# Altium PCB Twomes_Monitor_master.PcbDoc
Units mm, origin at the board's own origin, x right, y up, seen from the top; angles counter-clockwise.
Board outline 58.55 x 38.1 mm, 2 copper layers (Top Layer, Bottom Layer); 43 components, 29 nets, 141 pads, 8 vias.
Unrouted connection lines stored in the file: 46.
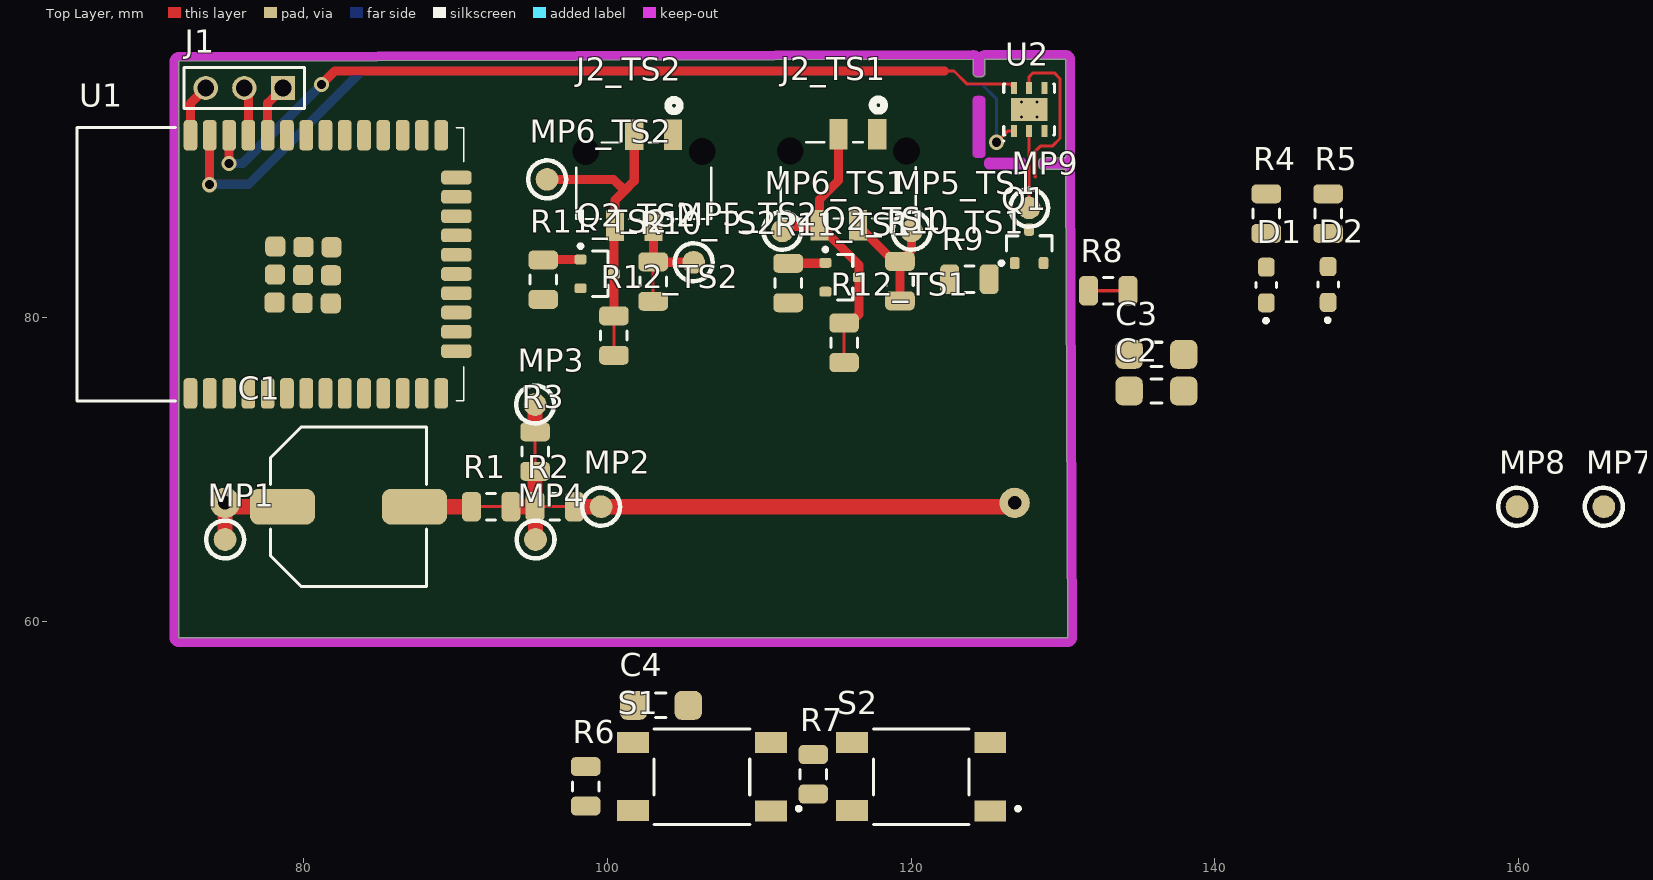
[diagram p0: Top Layer view]
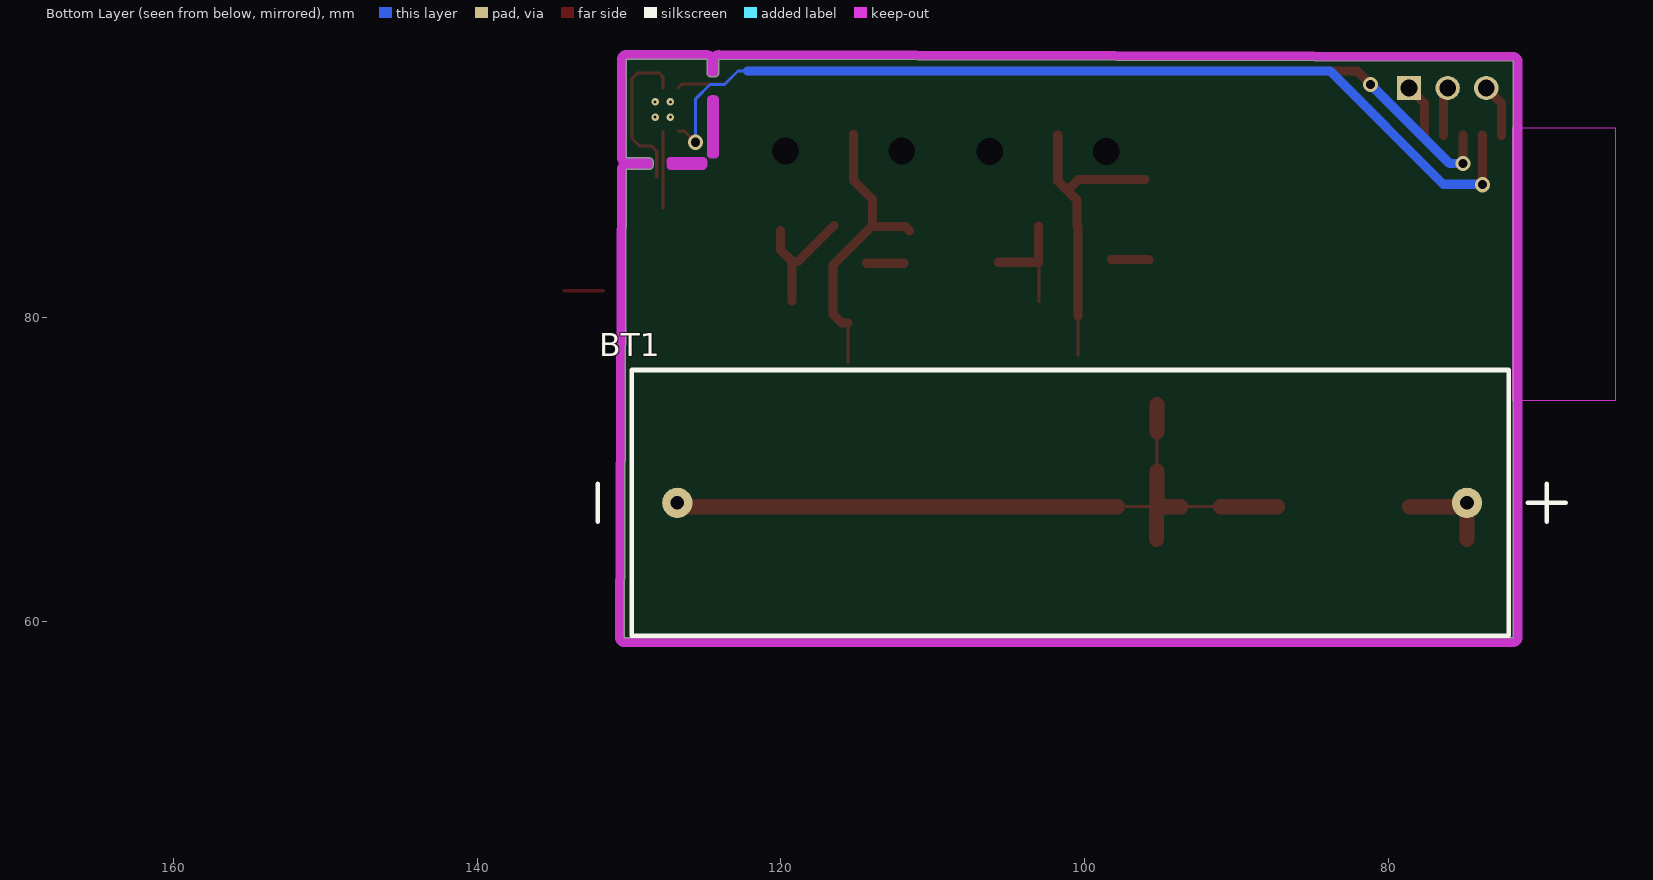
[diagram p1: Bottom Layer view, seen from below]

## Layer stack, top to bottom
Top Solder: solder mask 0.0102, Solder Resist, Dk 3.5
Top Layer: signal copper 0.0356
Dielectric 1: dielectric 0.32, FR-4, Dk 4.8
Bottom Layer: signal copper 0.0356
Bottom Solder: solder mask 0.0102, Solder Resist, Dk 3.5

## Board outline
71.755,96.901 124.079,97.027 124.079,96.122 ccw(c124.316,96.122) 124.316,95.885 124.447,95.885 124.473,95.885 124.604,95.885 ccw(c124.604,96.122) 124.841,96.122 124.841,97.028 130.177,97.028 130.177,90.532 128.657,90.532 ccw(c128.657,90.272) 128.397,90.272 128.397,90.054 ccw(c128.662,90.054) 128.662,89.789 130.177,89.789 130.302,58.928 71.755,58.928
cut-out: 125.095,90.551 127.262,90.551 cw(c127.262,90.305) 127.508,90.305 ccw(c130.043,90.305) 127.514,90.125 cw(c127.195,90.102) 127.262,89.789 125.095,89.789 cw(c125.158,90.106) 124.841,90.17 124.841,90.267 cw(c125.125,90.267) 125.125,90.551
cut-out: 123.825,94.742
cut-out: 124.333,94.615 124.587,94.615 cw(c124.587,94.361) 124.841,94.361 124.841,90.805 cw(c124.587,90.805) 124.587,90.551 124.333,90.551 cw(c124.333,90.805) 124.079,90.805 124.079,94.361 cw(c124.333,94.361)

## Design rules (kind name [scope] priority, off if disabled: settings)
Clearance Clearance_Outline [All vs OnLayer('Keep-Out Layer')] p1: gap=0.2 ignorepadtopadclearanceinfootprint=FALSE
Clearance [All] p2: gap=0.2 ignorepadtopadclearanceinfootprint=FALSE
PolygonConnect [All] p1: connectstyle=Relief reliefconductorwidth=0.254 reliefentries=4 polygonreliefangle="90 Angle" airgapwidth=0.254
RoomDefinition TS2 [InComponentClass('TS2')] p1: confinementstyle=ConfineIn formatcopy=TRUE lockcomponents=FALSE outline 107.442,76.454 107.442,94.996 94.234,94.996 94.234,76.454
RoomDefinition TS1 [InComponentClass('TS1')] p2: confinementstyle=ConfineIn formatcopy=TRUE lockcomponents=FALSE outline 120.904,76.2 120.904,94.996 107.696,94.996 107.696,76.2
RoutingVias [All] p1: holewidth=0.8 width=1.6 viastyle="Through Hole" minholewidth=0.6 minwidth=1 maxholewidth=2 maxwidth=4
SolderMaskExpansion [All] p1: expansion=0.102
Width [All] p1: maxlimit=2 minlimit=0.2 preferedwidth=0.4
30 further rules are at their usual default settings.

## Classes and differential pairs
channel class tempSensor_master: TS1 TS2
component class TS2: J2_TS2 MP5_TS2 MP6_TS2 Q2_TS2 R10_TS2 R11_TS2 R12_TS2 R?_TS2
component class TS1: J2_TS1 MP5_TS1 MP6_TS1 Q2_TS1 R10_TS1 R11_TS1 R12_TS1 R?_TS1
component class main_master: BT1 C1 C2 C3 C4 D1 D2 J1 MP1 MP2 MP3 MP4 MP7 MP8 MP9 Q1 R1 R2 R3 R4 R5 R6 R7 R8 R9 S1 S2 U1 U2 U?

## Components (designator, comment, footprint, x,y, rotation, side; value= is the part's Value field where it differs from the comment)
BT1 "2460" KEYSTONE_2410 100.803,67.818 r0 bottom
C1 "1800uF_6V3" CAPAE109103X105M 82.931,67.564 r0 top value=1800uF
C2 "1uF" C1206 136.144,75.184 r0 top
C3 "100nF" C1206 136.144,77.597 r0 top
C4 "1uF" C1206 103.505,54.483 r180 top
D1 "Green" Kingbright_KPT-2012EC_0 143.383,82.169 r90 top
D2 "Red" Kingbright_KPT-2012EC_0 147.447,82.201 r90 top
J1 "61300311121" 61300311121 76.073,95.141 r180 top
J2_TS1 "90814-0204" MOLEX_90814-0204 117.754,92.084 r180 top (schematic designator J2)
J2_TS2 "90814-0204" MOLEX_90814-0204 104.292,92.054 r180 top (schematic designator J2)
MP1 "Measure_point" MeasurePoint_1.5mm 74.803,65.405 r0 top
MP2 "Measure_point" MeasurePoint_1.5mm 99.568,67.564 r0 top
MP3 "Measure_point" MeasurePoint_1.5mm 95.22,74.295 r0 top
MP4 "Measure_point" MeasurePoint_1.5mm 95.25,65.405 r0 top
MP5_TS1 "Measure_point" MeasurePoint_1.5mm 120.015,85.737 r270 top (schematic designator MP5)
MP5_TS2 "Measure_point" MeasurePoint_1.5mm 105.664,83.663 r270 top (schematic designator MP5)
MP6_TS1 "Measure_point" MeasurePoint_1.5mm 111.506,85.737 r270 top (schematic designator MP6)
MP6_TS2 "Measure_point" MeasurePoint_1.5mm 96.012,89.124 r270 top (schematic designator MP6)
MP7 "Measure_point" MeasurePoint_1.5mm 165.608,67.564 r0 top
MP8 "Measure_point" MeasurePoint_1.5mm 159.893,67.564 r0 top
MP9 "Measure_point" MeasurePoint_1.5mm 127.762,87.249 r0 top
Q1 "NTR5103NT1G" SOT23 127.762,84.709 r90 top
Q2_TS1 "#NAME?" SOT23 115.443,82.677 r0 top (schematic designator Q2)
Q2_TS2 "#NAME?" SOT23 99.314,82.901 r0 top (schematic designator Q2)
R1 "!0R!" R1206_Simple-Assemble_shorted 92.329,67.564 r180 top
R2 "!0R!" R1206_Simple-Assemble_shorted 96.52,67.564 r180 top
R3 "!0R!" R1206_Simple-Assemble_shorted 95.22,71.196 r90 top
R4 "82" R1206_Simple-Assemble 143.383,86.868 r90 top
R5 "82" R1206_Simple-Assemble 147.447,86.868 r90 top
R6 "10k" R1206_Simple-Assemble 98.552,49.149 r90 top
R7 "10k" R1206_Simple-Assemble 113.538,49.941 r270 top
R8 "!0R!" R1206_Simple-Assemble_shorted 132.969,81.788 r0 top
R9 "1k2" R1206_Simple-Assemble 123.825,82.55 r0 top
R10_TS1 "!0R!" R1206_Simple-Assemble_shorted 119.253,82.423 r90 top (schematic designator R10)
R10_TS2 "!0R!" R1206_Simple-Assemble_shorted 102.997,82.393 r90 top (schematic designator R10)
R11_TS1 "1k2" R1206_Simple-Assemble 111.887,82.296 r90 top (schematic designator R11)
R11_TS2 "1k2" R1206_Simple-Assemble 95.758,82.52 r90 top (schematic designator R11)
R12_TS1 "!0R!" R1206_Simple-Assemble_shorted 115.57,78.359 r90 top (schematic designator R12)
R12_TS2 "!0R!" R1206_Simple-Assemble_shorted 100.414,78.837 r90 top (schematic designator R12)
S1 "FSM2JSMAA" FP-FSM2JSMAA-MFG 106.208,49.784 r270 top
S2 "FSM2JSMAA" FP-FSM2JSMAA-MFG 120.65,49.784 r270 top
U1 "ESP32-WROOM-32E" ESP32­WROOM­32E 77.788,83.529 r90 top
U2 "SI7051-A20-IM" "3x3 6-pin DFN" 127.762,93.726 r90 top

## Footprints (in the part's own frame and the unit in brackets; to place one, negate y for a bottom-side part, rotate by r counter-clockwise, add the part's x,y. Pads: shape width x height; smd on the part's side, far side on the other; paste and mask are expansions set on the pad)
"3x3 6-pin DFN" [mm] "SON, 6-Leads, Body 3,00x3,00mm, Pitch 1,00mm, Thermal Pad 2,40x1,50mm, IPC Medium Density"
  rect 0.8x0.4 smd: 1(-1.415,1) 2(-1.415,0) 3(-1.415,-1) 4(1.415,-1) 5(1.415,0) 6(1.415,1)
  rect 1.5x2.4 smd: 7(0,0)
  silkscreen extent -2.12,-1.68 1.67,1.72, body extent -1.5,-1.5 1.5,1.5, height 0.8
61300311121 [mm] "Pin Header, pitch 2.54 mm, THT, Vertical, single row, 3p"
  rect 1.6x1.6 hole 1.1: 1(-2.54,0)
  round 1.6 hole 1.1: 2(0,0) 3(2.54,0)
  silkscreen extent -3.96,-1.35 3.96,1.35, body extent -3.81,-1.27 3.81,1.27, height 8.57
C1206 [mm] "Chip Capacitor, 2-Leads, Body 3,20x1,60mm, IPC Medium Density"
  rrect50% 1.8x1.9 smd: 1(-1.8,0) 2(1.8,0)
  silkscreen extent -0.35,-0.8 0.35,0.8, body extent -1.7,-0.9 1.7,0.9, height 1.8
CAPAE109103X105M [mm]
  rrect50% 4.3x2.35 smd: 1(-4.35,0) 2(4.35,0)
  silkscreen extent -5.15,-5.25 5.15,5.25, body extent -5.43,-5.25 5.43,5.25, height 10.5
ESP32­WROOM­32E [mm] "ESP32­WROOM­32E"
  rrect50% 2x0.9 smd: 1(-8.5,5.26) 2(-8.5,3.99) 3(-8.5,2.72) 4(-8.5,1.45) 5(-8.5,0.18) 6(-8.5,-1.09) 7(-8.5,-2.36) 8(-8.5,-3.63) 9(-8.5,-4.9) 10(-8.5,-6.17) 11(-8.5,-7.44) 12(-8.5,-8.71) 13(-8.5,-9.98) 14(-8.5,-11.25) 25(8.5,-11.25) 26(8.5,-9.98) 27(8.5,-8.71) 28(8.5,-7.44) 29(8.5,-6.17) 30(8.5,-4.9) 31(8.5,-3.63) 32(8.5,-2.36) 33(8.5,-1.09) 34(8.5,0.18) 35(8.5,1.45) 36(8.5,2.72) 37(8.5,3.99) 38(8.5,5.26)
  rrect50% 0.9x2 smd: 15(-5.715,-12.25) 16(-4.445,-12.25) 17(-3.175,-12.25) 18(-1.905,-12.25) 19(-0.635,-12.25) 20(0.635,-12.25) 21(1.905,-12.25) 22(3.175,-12.25) 23(4.445,-12.25) 24(5.715,-12.25)
  rrect50% 1.33x1.33 smd: 39(-2.575,-3.975) 39(-2.55,-2.125) 39(-2.525,-0.275) 39(-0.725,-4) 39(-0.7,-2.15) 39(-0.675,-0.3) 39(1.125,-4.025) 39(1.15,-2.175) 39(1.175,-0.325)
  Keep-Out Layer region: -9,6 9,6 9,12.75 -9,12.75
  silkscreen extent -9,-12.75 9,12.75, body extent -9,-12.75 9,12.75, height 2.91
FP-FSM2JSMAA-MFG [mm]
  rect 1.38x2.1 smd paste+0 mask+0: 1(2.25,4.55) 2(-2.24,4.55) 3(2.24,-4.55) 4(-2.24,-4.55)
  silkscreen extent -3.15,-3.15 3.15,6.5, body extent -3.25,-5.7 3.25,5.7, height 0.25
KEYSTONE_2410 [mm] "Battery holder, AA"
  round 2 hole 0.9: 1(-26,0) 2(26,0)
  silkscreen extent -32.5,-8.75 31.25,8.75, body extent -28.32,-8.44 28.68,8.45, height 13.89
Kingbright_KPT-2012EC_0 [mm]
  rrect50% 1.25x1.1 smd paste+0 mask+0: 1(-1.175,0) 2(1.175,0)
  silkscreen extent -2.47,-0.67 0.18,0.67, body extent -1.9,-0.77 1.9,0.77, height 0.25
MeasurePoint_1.5mm [mm] "MeasurePoint_1.5mm"
  round 1.5 smd: 1(0,0)
  silkscreen extent -1.25,-1.25 1.25,1.25
MOLEX_90814-0204 [mil]
  rect 47x79 smd: 1(0,0) 2(50,236) 3(100,0) 4(150,236)
  round 0 hole 69 unplated: 5(-76,43) 6(226,43)
  silkscreen extent -100,-91 250,218, body extent -100,-22 249,249, height 291
R1206_Simple-Assemble [mm] "Chip Resistor, 2-Leads, Body 3,10x1,60mm, IPC High Density"
  rrect50% 1.25x1.95 smd: 1(-1.3,0) 2(1.3,0)
  silkscreen extent -0.3,-0.87 0.3,0.87, body extent -1.6,-0.85 1.6,0.85, height 0.8
R1206_Simple-Assemble_shorted [mm] "Chip Resistor, 2-Leads, Body 3,10x1,60mm, IPC High Density"
  rrect50% 1.25x1.95 smd: 1(-1.3,0) 2(1.3,0)
  Top Layer lines w0.2: 1.3,0 -1.3,0
  silkscreen extent -0.3,-0.87 0.3,0.87, body extent -1.6,-0.85 1.6,0.85, height 0.8
SOT23 [mm] "SOT23, 3-Leads, Body 2,92x2,37mm, Pitch 0,95mm, IPC High Density"
  rrect50% 0.8x0.65 smd: 1(-1.1,0.95) 2(-1.1,-0.95) 3(1.1,0)
  silkscreen extent -1.22,-1.5 0.7,1.95, body extent -1.32,-1.52 1.32,1.52, height 1.12

## Part data
BT1: "Battery Holder, AA x 1, Through Hole", Brand=KEYSTONE, Farnell_Order_Code=1702629, Farnell_Price=1,80, Mouser_Order_Code=534-2460, Mouser_Price=1,10, Type=2460
C1: "SMD Aluminium Electrolytic Capacitor, Radial Can, 1800 µF, 10 V, 0.092 ohm, TRV Series", Capacitance=1.8mF, Manufacturer=Panasonic, Manufacturer Part Number=EEE-FN0J182UV, Supplier Part Number 1=667-EEE-FN0J182UV, Voltage Rating=10V, Category="Aluminum Electrolytic Capacitors", Mount="Surface Mount", Supplier 1=Mouser, Supplier Unit Price 1=€0.98708
C2 C4: library part 1uF,1206, "1uF, 1206", Capacitance=1uF
C3: library part 100nF,1206, "100nF, 1206", Capacitance=100nF
D1: library part AP2012MGC, "Standard LEDs - SMD GRN WATER CLEAR 0805", Case/Package=0805, Forward Current=20mA, Forward Voltage=2.1V, Manufacturer=Kingbright, Supplier Part Number 1=604-AP2012MGC, Category=LEDs, Color=Green, Manufacturer Part Number=AP2012MGC, Supplier 1=Mouser
D2: library part KPT-2012EC, "KPT-2012EC -  LED, Low Power, Red, SMD, 0805 [2012 Metric], 30 mA, 2 V, 617 nm", Brand=KINGBRIGHT, Order Code=2099236, Price=0,112, Supplier=Farnell, Type=KPT-2012EC
J1: "Board-To-Board Connector, Vertical, 2.54 mm, 3 Contacts, Header, WR-PHD Series, Through Hole", Brand="WURTH ELEKTRONIK", ComponentLink1Description=Manufacturer, ComponentLink1URL=http://www.we-online.de, ComponentLink2Description=Datasheet, ComponentLink2URL=https://katalog.we-online.de/em/datasheet/6130xx21821.pdf, Gender=Male, Mounting Technology=THT, Order Code=2356154, Orientation=Vertical, Pitch="2.54 mm", Price=0,06, Supplier=Farnell, Type=61300311121
J2_TS1 J2_TS2: "Pin Header, Signal, 1.27 mm, 1 Rows, 4 Contacts, Surface Mount Straight, Picoflex 90814 Series", Manufacturer=MOLEX, Manufacturer Part Number=90814-0204
MP1 MP2 MP3 MP4 MP5_TS1 MP5_TS2 MP6_TS1 MP6_TS2 MP7 MP8 MP9: "Measurepoint"
Q1: "Power MOSFET, N Channel, 60 V, 260 mA, 1 ohm, SOT-23, Surface Mount", Manufacturer="ON Semiconductor", Manufacturer Part Number=NTR5103NT1G
Q2_TS1 Q2_TS2: library part NTR5103NT1G, "Power MOSFET, N Channel, 60 V, 260 mA, 1 ohm, SOT-23, Surface Mount", Manufacturer="ON Semiconductor", Manufacturer Part Number=NTR5103NT1G
R1 R2 R3 R8 R10_TS1 R10_TS2 R12_TS1 R12_TS2: library part "0R, optional resistor", "normally shorted, but easy to change to an resistor footprint"
R4 R5: library part "82, 1206", Brand=MULTICOMP, Resistance=82, Supplier=Farnell
R6 R7: library part "10k, 1206", "10k, 1206, 250mW, 200V", Power=250mW, Brand="TE CONNECTIVITY", Order Code=2861956, Price=0,0139, Resistance=10k, Supplier=Farnell, Type=CRGCQ1206J10K
R9 R11_TS1 R11_TS2: library part "1k2, 1206", "SMD Chip Resistor, 1206 [3216 Metric], 1 kohm, MCSR 12 Series, 200 V, Ceramic, 250 mW", Power=250mW, Brand=MULTICOMP, Order Code=2446791, Price=0,0298, Resistance=1k2, Supplier=Farnell, Type=MCWR12X1201FTL
S1 S2: "Tactile Switch, FSMJSM Series, Top Actuated, Surface Mount, Round Button, 260 gf, 50mA at 24VDC", Case/Package=SMD/SMT, Manufacturer="TE Connectivity", Voltage Rating (DC)=24V, Category="Pushbutton Switches", Connector Type=SMD/SMT, Manufacturer Part Number=FSM2JSMAA, Mount="Surface Mount", Supplier Unit Price 1=€0.13022
U1: library part ESP32-WROOM-32E(M113EH2800PH3Q0), "USB-modules (802.11) SMD Module ESP32-WROOM-32E, ESP32-D0WD-V3, 16 MB SPI flash, PCB antenna", Brand="Espressif Systems", Order Code=356-ESP32WRM32E128PH, Price=2,64, Supplier=MOUSER, Type=ESP32-WROOM-32E
U2: "Temperature Sensor IC, Digital, ± 0.1°C, -40 °C, 125 °C, DFN, 6 Pins", Brand="SILICON LABS", ClassName=Smallpitch, Order Code=2769160, Price=1,98, Supplier=Farnell, Type=SI7051-A20-IM

## Via types
v1: diameter 1, hole 0.6, Top Layer to Bottom Layer, 4 vias
v2: diameter 0.5, hole 0.2, Top Layer to Bottom Layer, 4 vias

## Nets (pads, with @x,y where several pads share a name; then routed paths per layer and width w, separated by ;. In a path a pad name is that pad's centre, name@x,y a point inside that pad or via, vN(x,y) a via of type N, cw(c..) or ccw(c..) an arc to the next point about the centre after c; other vN are vias at no path point)
Bat_GND: BT1.2 MP2.1 R2.1 | length 29.1
  Top Layer w1: R2.1 MP2.1 126.549,67.564 BT1.2
Button_1: R7.1 S2.2 S2.4
Button_2: U1.28
C_GND: C1.2 R1.2 | length 3.7
  Top Layer w1: C1.2 R1.2
Data_TempSensor_TS1: J2_TS1.2 MP5_TS1.1 R10_TS1.2 | length 6.1
  Top Layer w0.6: J2_TS1.2 118.851,83.723 R10_TS1.2 120.015,84.485 MP5_TS1.1
Data_TempSensor_TS2: J2_TS2.2 MP5_TS2.1 R10_TS2.2 | length 5
  Top Layer w0.6: R10_TS2.2 R10_TS2.2@103.022,83.718 ; J2_TS2.2 R10_TS2.2@103.022,83.718 ; MP5_TS2.1 103.078,83.663 R10_TS2.2@103.022,83.718
EN_si: R9.1 U1.33
EN_si_R: Q1.1 R9.2
GND: C2.1 C3.1 C4.1 J1.3 MP3.1 Q1.2 Q2_TS1.2 Q2_TS2.2 R3.2 R8.1 R12_TS1.1 R12_TS2.1 S1.1 S1.3 S2.1 S2.3 U1.1 U1.15 U1.38 | length 5.3
  Top Layer w0.6: U1.38 72.528,94.136 J1.3
  Top Layer w1: R3.2 MP3.1
I2C_SCL: MP7.1 U1.36 U2.6 | length 56.6
  Top Layer w0.2: 122.174,96.266 122.809,96.266 123.679,95.396 126.507,95.396 U2.6
  Top Layer w0.6: v1(75.057,90.17) 75.057,92.04 U1.36 ; v1(81.153,95.377) 82.042,96.266 122.174,96.266
  Bottom Layer w0.6: v1(75.057,90.17) 75.311,90.17 75.949,90.17 81.153,95.374 v1(81.153,95.377)
I2C_SDA: MP8.1 U1.37 U2.1 | length 63.3
  Top Layer w0.2: v1(125.603,91.567) 126.347,92.311 U2.1
  Top Layer w0.6: v1(73.787,88.773) 73.787,92.018 U1.37
  Bottom Layer w0.2: 122.174,96.266 122.809,96.266 123.698,95.377 124.655,95.377 125.603,94.429 v1(125.603,91.567)
  Bottom Layer w0.6: v1(73.787,88.773) 73.787,88.805 76.359,88.805 83.82,96.266 122.174,96.266
LED1: D1.1 U1.30
LED2: D2.1 U1.31
Measure_GND: MP4.1 R1.1 R2.2 R3.1 | length 6.1
  Top Layer w1: R1.1 R2.2 ; R3.1 R2.2 ; MP4.1 95.25,67.534 R2.2
NetD1_2: D1.2 R4.1
NetD2_2: D2.2 R5.1
NetJ1_1: J1.1 U1.34 | length 3.5
  Top Layer w0.6: U1.34 77.608,94.136 J1.1
NetJ1_2: J1.2 U1.35 | length 3.2
  Top Layer w0.6: J1.2 76.338,94.876 U1.35
NetJ2_TS1_3: J2_TS1.3 J2_TS1.4 MP6_TS1.1 Q2_TS1.3 R12_TS1.2 | length 17.3
  Top Layer w0.6: MP6_TS1.1 111.79,86.021 113.876,86.021 J2_TS1.4 ; J2_TS1.3 115.214,89.052 113.944,87.782 J2_TS1.4 ; R12_TS1.2 115.981,79.659 116.543,80.221 Q2_TS1.3 116.543,83.491 J2_TS1.4
NetJ2_TS2_3: J2_TS2.3 J2_TS2.4 MP6_TS2.1 Q2_TS2.3 R12_TS2.2 | length 17.9
  Top Layer w0.6: MP6_TS2.1 100.381,89.124 101.117,88.387 ; R12_TS2.2 Q2_TS2.3 100.414,85.991 J2_TS2.4 100.482,87.752 101.117,88.387 ; J2_TS2.3 101.752,89.022 101.117,88.387
NetQ2_TS1_1: Q2_TS1.1 R11_TS1.2 | length 2.5
  Top Layer w0.6: R11_TS1.2 114.312,83.596 Q2_TS1.1
NetQ2_TS2_1: Q2_TS2.1 R11_TS2.2 | length 2.5
  Top Layer w0.6: R11_TS2.2 95.789,83.851 Q2_TS2.1
NetR10_TS1_1: R10_TS1.1 U1.26
NetR10_TS2_1: R10_TS2.1 U1.16
NetR11_TS1_1: R11_TS1.1 U1.29
NetR11_TS2_1: R11_TS2.1 U1.13
RESET: C4.2 R6.1 S1.2 S1.4 U1.3
SI_GND: MP9.1 Q1.3 R8.2 U2.2 | length 5.1
  Top Layer w0.2: MP9.1 U2.2
Vbat: BT1.1 C1.1 C2.2 C3.2 J2_TS1.1 J2_TS2.1 MP1.1 R4.2 R5.2 R6.2 R7.2 U1.2 U2.5 | length 17
  Top Layer w0.2: U2.5 127.762,95.885 128.016,96.139 129.413,96.139 129.794,95.758 129.794,91.821 129.286,91.313 128.494,91.313 128.162,90.981 128.162,89.281
  Top Layer w1: MP1.1 BT1.1 75.057,67.564 C1.1
pads on no net: J2_TS1.5 J2_TS1.6 J2_TS2.5 J2_TS2.6 U1.4 U1.5 U1.6 U1.7 U1.8 U1.9 U1.10 U1.11 U1.12 U1.14 U1.17 U1.18 U1.19 U1.20 U1.21 U1.22 U1.23 U1.24 U1.25 U1.27 U1.32 U1.39 U2.3 U2.4 U2.7
copper on no net:
  other v2: 127.262,93.226 128.262,93.226 127.262,94.226 128.262,94.226

## Keep-outs
Keep-Out Layer:
  lines w0.6: 130.477,89.789 ccw(c130.177,89.789) 130.477,89.79 ; 71.455,58.928 ccw(c71.755,58.928) 71.755,58.628 ; 71.455,58.928 ccw(c71.755,58.928) 71.755,58.628 ; 71.455,58.928 71.455,96.901 ; 71.455,96.901 cw(c71.755,96.901) 71.754,97.201 ; 71.455,96.901 cw(c71.755,96.901) 71.754,97.201 ; 71.754,97.201 124.078,97.327 ; 71.755,58.628 130.302,58.628 ; 124.078,97.327 cw(c124.079,97.027) 124.379,97.027 ; 124.078,97.327 cw(c124.079,97.027) 124.379,97.027 ; 124.379,97.027 124.379,96.185 124.447,96.185 ; 124.447,96.185 ccw(c124.447,95.885) 124.447,96.185 ; 124.447,96.185 ccw(c124.447,95.885) 124.447,96.185 ; 124.447,96.185 124.473,96.185 124.541,96.185 124.541,97.028 ; 124.541,97.028 cw(c124.841,97.028) 124.841,97.328 ; 124.541,97.028 cw(c124.841,97.028) 124.841,97.328 ; 124.841,97.328 130.177,97.328 ; 125.135,90.111 ccw(c124.841,90.17) 125.141,90.17 ; 125.135,90.111 ccw(c124.841,90.17) 125.141,90.17 ; 125.135,90.111 ccw(c124.841,90.17) 125.141,90.17 ; 125.135,90.111 125.134,90.106 125.136,90.097 125.141,90.089 125.142,90.089 127.21,90.089 127.213,90.093 127.215,90.1 ; 125.141,90.17 ccw(c124.841,90.17) 125.141,90.17 ; 125.141,90.17 ccw(c124.841,90.17) 125.141,90.17 ; 125.141,90.17 ccw(c124.841,90.17) 125.141,90.17 ; 125.141,90.17 125.141,90.17 ; 125.141,90.17 125.141,90.251 127.209,90.251 127.209,90.233 ; 127.209,90.233 ccw(c127.509,90.238) 127.209,90.227 ; 127.209,90.233 127.209,90.232 ccw(c127.509,90.238) 127.209,90.227 ; 127.209,90.227 127.211,90.182 ; 127.211,90.177 cw(c127.51,90.193) 127.211,90.182 ; 127.211,90.177 cw(c127.51,90.193) 127.211,90.182 ; 127.211,90.177 127.213,90.132 ; 127.214,90.127 cw(c127.513,90.148) 127.213,90.132 ; 127.214,90.127 127.214,90.128 cw(c127.513,90.148) 127.213,90.132 ; 127.214,90.127 127.215,90.106 ; 127.215,90.104 cw(c127.514,90.125) 127.215,90.106 ; 127.215,90.104 ccw(c127.514,90.125) 127.215,90.1 ; 127.215,90.104 cw(c127.514,90.125) 127.215,90.105 127.215,90.106 ; 127.215,90.104 127.215,90.104 ; 127.215,90.104 127.215,90.1 ; 127.215,90.1 127.215,90.1 ; 130.177,90.089 cw(c130.177,89.789) 130.477,89.79 ; 130.177,90.089 cw(c130.177,89.789) 130.477,89.79 ; 130.177,90.089 128.697,90.089 128.697,90.232 130.177,90.232 ; 130.177,90.232 ccw(c130.177,90.532) 130.477,90.532 ; 130.177,90.232 ccw(c130.177,90.532) 130.477,90.532 ; 130.177,97.328 cw(c130.177,97.028) 130.477,97.028 ; 130.177,97.328 cw(c130.177,97.028) 130.477,97.028 ; 130.302,58.628 ccw(c130.302,58.928) 130.602,58.928 ; 130.302,58.628 ccw(c130.302,58.928) 130.602,58.928 ; 130.477,89.79 ccw(c130.177,89.789) 130.477,89.79 ; 130.477,89.79 130.477,89.79 ; 130.477,89.79 130.477,89.79 ; 130.477,89.79 130.602,58.929 ; 130.477,90.532 130.477,97.028 ; 130.602,58.928 ccw(c130.302,58.928) 130.602,58.929 ; 130.602,58.928 ccw(c130.302,58.928) 130.602,58.929 ; 130.602,58.929 ccw(c130.302,58.928) 130.602,58.929 ; 130.602,58.929 130.602,58.929 ; 130.602,58.929 130.602,58.929 ; 124.379,90.851 124.541,90.851 124.541,94.315 124.379,94.315 124.379,90.851

## Other copper
Top Layer:
  pour cut-out: 130.556,97.282 124.46,97.282 124.46,90.17 130.556,90.17